# Allegro board 8880F5-0823__zarif.brd (continued)
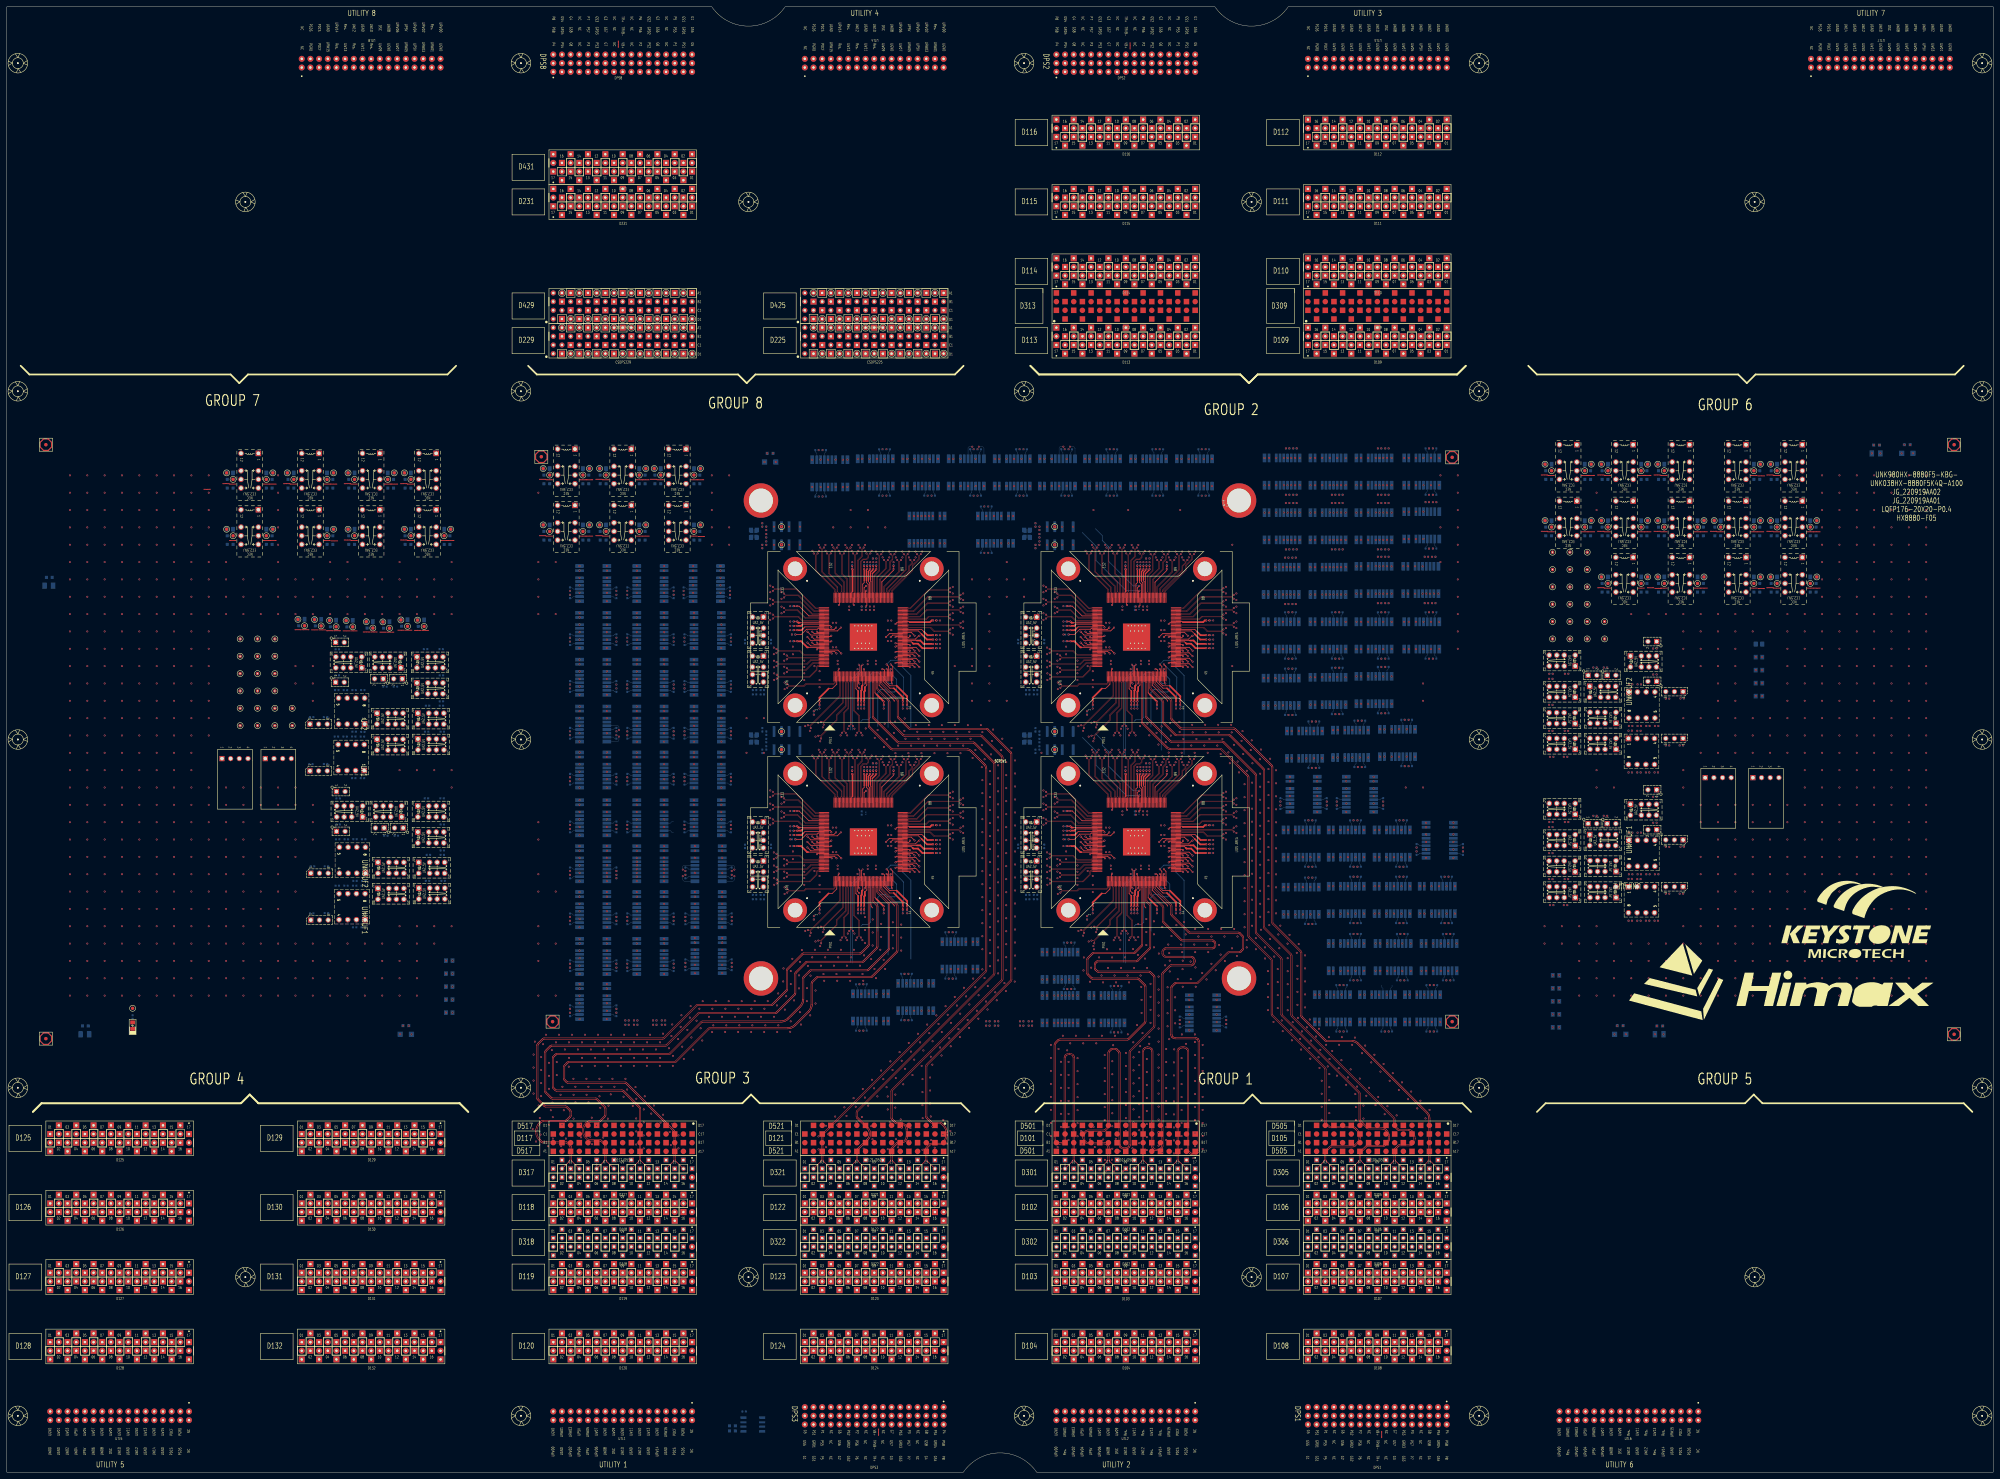
[diagram p0: board, top side]
## Placement (name value [footprint] x y rotation side) (continued)
NOREF#697  -  []  230.41 193.37 90 top
NOREF#698  -  []  248.96 224.74 0 top
NOREF#699  -  []  118.7 188.08 0 top
NOREF#700  -  []  394.66 258.64 90 top
NOREF#701  -  []  328.33 187.93 0 top
NOREF#702  -  []  251.33 140.14 0 top
NOREF#703  -  []  473.6 162.62 90 top
NOREF#704  -  []  313.98 143.79 90 top
NOREF#705  -  []  119.7 231.22 0 top
NOREF#706  -  []  272.24 181.05 90 top
NOREF#707  -  []  122.19 214.79 0 top
NOREF#708  -  []  317.05 288.86 0 top
NOREF#709  -  []  405.5 241.11 90 top
NOREF#710  -  []  528.1 259.9 90 top
NOREF#711  -  []  165.8 254 90 top
NOREF#712  -  []  327.57 264.65 90 top
NOREF#713  -  []  251.62 205.55 0 top
NOREF#714  -  []  247.25 265.56 0 top
NOREF#715  -  []  251.05 265.86 90 top
NOREF#716  -  []  415.61 185.72 90 top
NOREF#717  -  []  118.33 286.94 90 top
NOREF#718  -  []  300.01 288.31 90 top
NOREF#719  -  []  330.17 163.82 90 top
NOREF#720  -  []  201.23 242.78 90 top
NOREF#721  -  []  252.51 265.56 0 top
NOREF#722  -  []  251.94 265.86 90 top
NOREF#723  -  []  346.08 296.86 0 top
NOREF#724  -  []  415.6 146.88 0 top
NOREF#725  -  []  351.04 245.5 0 top
NOREF#726  -  []  459.28 192.71 90 top
NOREF#727  -  []  167.7 244.98 90 top
NOREF#728  -  []  332.61 288.86 0 top
NOREF#729  -  []  468.01 214.96 0 top
NOREF#730  -  []  306.71 152.34 0 top
NOREF#731  -  []  209.23 246.08 90 top
NOREF#732  -  []  251.62 265.56 0 top
NOREF#733  -  []  459.24 175.86 0 top
NOREF#734  -  []  456.08 230.2 0 top
NOREF#735  -  []  296.81 275.94 0 top
NOREF#736  -  []  310.41 248.88 90 top
NOREF#737  -  []  465.81 179.15 0 top
NOREF#738  -  []  238.3 224.74 90 top
NOREF#739  -  []  115.61 191.95 90 top
NOREF#740  -  []  343.63 163.82 90 top
NOREF#741  -  []  343.95 224.74 90 top
NOREF#742  -  []  415.6 146.88 0 top
NOREF#743  -  []  396.55 225.11 0 top
NOREF#744  -  []  343.31 224.72 0 top
NOREF#745  -  []  167.7 241.43 0 top
NOREF#746  -  []  329.28 223.82 90 top
NOREF#747  -  []  475.04 195.66 0 top
NOREF#748  -  []  246.23 233.13 0 top
NOREF#749  -  []  252.51 205.55 0 top
NOREF#750  -  []  422.7 163.64 0 top
NOREF#751  -  []  106.36 190.55 0 top
NOREF#752  -  []  373.68 232.6 0 top
NOREF#753  -  []  36.1 131.91 0 top
NOREF#754  -  []  398.65 281.11 0 top
NOREF#755  -  []  424.05 163.64 90 top
NOREF#756  -  []  372.72 161.49 0 top
NOREF#757  -  []  378.75 240.66 90 top
NOREF#758  -  []  376.98 224.6 0 top
NOREF#759  -  []  339.65 264.65 90 top
NOREF#760  -  []  299.81 273.69 90 top
NOREF#761  -  []  451.68 214.96 0 top
NOREF#762  -  []  199.59 145.03 0 top
NOREF#763  -  []  259.97 204.35 90 top
NOREF#764  -  []  388.43 163.64 0 top
NOREF#765  -  []  405.42 131.94 90 top
NOREF#766  -  []  302.11 142.44 0 top
NOREF#767  -  []  353.35 288.31 90 top
NOREF#768  -  []  310.73 193.69 0 top
NOREF#769  -  []  218.16 237.06 0 top
NOREF#770  -  []  244.8 288.61 0 top
NOREF#771  -  []  209.49 162.1 90 top
NOREF#772  -  []  110.47 171.02 0 top
NOREF#773  -  []  394.66 274.38 90 top
NOREF#774  -  []  312.25 211.67 90 top
NOREF#775  -  []  463.61 179.15 0 top
NOREF#776  -  []  367.13 271.21 0 top
NOREF#777  -  []  330.73 205.55 0 top
NOREF#778  -  []  318.45 197.01 0 top
NOREF#779  -  []  264.72 272.65 90 top
NOREF#780  -  []  184.89 186.02 90 top
NOREF#781  -  []  331.86 252.43 90 top
NOREF#782  -  []  194.09 201.29 90 top
NOREF#783  -  []  201.23 215.35 90 top
NOREF#784  -  []  201.23 204.09 90 top
NOREF#785  -  []  167.7 231.27 90 top
NOREF#786  -  []  383.73 198.08 90 top
NOREF#787  -  []  247.25 205.55 0 top
NOREF#788  -  []  352.25 181.05 90 top
NOREF#789  -  []  254.29 205.55 0 top
NOREF#790  -  []  182.57 171.96 0 top
NOREF#791  -  []  339.89 288.41 90 top
NOREF#792  -  []  373.32 164.66 90 top
NOREF#793  -  []  263.83 171.63 90 top
NOREF#794  -  []  388.43 146.88 0 top
NOREF#795  -  []  334.29 205.55 0 top
NOREF#796  -  []  390.53 171.64 0 top
NOREF#797  -  []  465.45 292.92 90 top
NOREF#798  -  []  301.56 231.46 0 top
NOREF#799  -  []  208.98 257.6 90 top
NOREF#800  -  []  166.06 189.04 90 top
NOREF#801  -  []  331.94 264.65 90 top
NOREF#802  -  []  408.02 239.21 0 top
NOREF#803  -  []  269.94 135.19 0 top
NOREF#804  -  []  406.19 188.15 0 top
NOREF#805  -  []  168.69 292.55 90 top
NOREF#806  -  []  387.8 210.63 90 top
NOREF#807  -  []  192.47 150.58 90 top
NOREF#808  -  []  400.79 154.88 0 top
NOREF#809  -  []  124.1 238.84 0 top
NOREF#810  -  []  331.06 165.04 90 top
NOREF#811  -  []  304.61 131.64 0 top
NOREF#812  -  []  344.62 131.89 90 top
NOREF#813  -  []  330.74 224.74 0 top
NOREF#814  -  []  334.81 296.86 0 top
NOREF#815  -  []  463.11 230.2 0 top
NOREF#816  -  []  302.11 180.71 0 top
NOREF#817  -  []  339.65 204.65 90 top
NOREF#818  -  []  127.3 228.02 90 top
NOREF#819  -  []  409.17 281.37 0 top
NOREF#820  -  []  230.41 186.34 90 top
NOREF#821  -  []  240.94 211.63 90 top
NOREF#822  -  []  201.23 233.47 90 top
NOREF#823  -  []  412.62 297.12 0 top
NOREF#824  -  []  272.25 183.59 90 top
NOREF#825  -  []  254.29 265.56 90 top
NOREF#826  -  []  377.23 224.65 90 top
NOREF#827  -  []  262.68 164.74 90 top
NOREF#828  -  []  424.98 146.33 90 top
NOREF#829  -  []  182.57 144.78 0 top
NOREF#830  -  []  167.7 256.5 90 top
NOREF#831  -  []  312.79 288.86 90 top
NOREF#832  -  []  272.25 184.23 0 top
NOREF#833  -  []  295.96 177.06 0 top
NOREF#834  -  []  239.33 183.63 90 top
NOREF#835  -  []  271.56 288.91 90 top
NOREF#836  -  []  209.23 232.37 90 top
NOREF#837  -  []  288.14 286.96 0 top
NOREF#838  -  []  354.08 286.96 90 top
NOREF#839  -  []  184.47 227.72 0 top
NOREF#840  -  []  107.02 171.57 0 top
NOREF#841  -  []  66.26 271.33 90 top
NOREF#842  -  []  188.08 289.11 90 top
NOREF#843  -  []  235.4 289.88 90 top
NOREF#844  -  []  310.43 253.37 90 top
NOREF#845  -  []  408.02 271.47 0 top
NOREF#846  -  []  371.48 257.11 0 top
NOREF#847  -  []  410.52 289.12 0 top
NOREF#848  -  []  343.31 164.72 0 top
NOREF#849  -  []  334.29 265.56 90 top
NOREF#850  -  []  451.68 195.91 0 top
NOREF#851  -  []  330.73 265.56 90 top
NOREF#852  -  []  343.98 288.86 0 top
NOREF#853  -  []  296.96 252.14 0 top
NOREF#854  -  []  367.73 290.39 90 top
NOREF#855  -  []  319.33 183.63 90 top
NOREF#856  -  []  263.83 231.63 90 top
NOREF#857  -  []  83.77 247.51 90 top
NOREF#858  -  []  167.7 219.75 90 top
NOREF#859  -  []  105.93 204.27 90 top
NOREF#860  -  []  230.73 187.93 0 top
NOREF#861  -  []  192.47 222.95 90 top
NOREF#862  -  []  98.53 238.84 0 top
NOREF#863  -  []  220.36 248.49 0 top
NOREF#864  -  []  271.04 181.69 0 top
NOREF#865  -  []  101.29 247.16 90 top
NOREF#866  -  []  272.24 242.32 90 top
NOREF#867  -  []  272.25 244.23 0 top
NOREF#868  -  []  184.47 247.18 90 top
NOREF#869  -  []  410.52 241.11 0 top
NOREF#870  -  []  257.09 224.74 90 top
NOREF#871  -  []  168.13 159.1 90 top
NOREF#872  -  []  250.74 224.74 0 top
NOREF#873  -  []  262.68 224.74 90 top
NOREF#874  -  []  118.33 271.33 90 top
NOREF#875  -  []  108.27 178.64 0 top
NOREF#876  -  []  392.24 196.98 90 top
NOREF#877  -  []  211.11 173.86 90 top
NOREF#878  -  []  111.54 287.84 90 top
NOREF#879  -  []  381.2 226.12 90 top
NOREF#880  -  []  247.78 140.14 0 top
NOREF#881  -  []  419.4 171.64 0 top
NOREF#882  -  []  343.2 172.26 90 top
NOREF#883  -  []  414.82 249.11 0 top
NOREF#884  -  []  383.01 139.89 0 top
NOREF#885  -  []  166.06 216.47 90 top
NOREF#886  -  []  229.21 188.88 0 top
NOREF#887  -  []  352.25 241.69 0 top
NOREF#888  -  []  461.86 230.75 0 top
NOREF#889  -  []  251.94 264.65 90 top
NOREF#890  -  []  300.74 286.96 90 top
NOREF#891  -  []  331.94 204.65 90 top
NOREF#892  -  []  230.43 246.34 0 top
NOREF#893  -  []  352.55 185.18 0 top
NOREF#894  -  []  380.59 239.21 0 top
NOREF#895  -  []  376.98 241.11 0 top
NOREF#896  -  []  259.65 264.65 90 top
NOREF#897  -  []  199.59 158.5 0 top
NOREF#898  -  []  167.7 165.4 90 top
NOREF#899  -  []  259.33 265.56 90 top
NOREF#900  -  []  415.61 179.97 0 top
NOREF#901  -  []  263.95 224.74 90 top
NOREF#902  -  []  415.61 185.72 90 top
NOREF#903  -  []  250.73 205.56 90 top
NOREF#904  -  []  410.84 180.15 90 top
NOREF#905  -  []  104.18 191.95 0 top
NOREF#906  -  []  318.45 257.01 0 top
NOREF#907  -  []  239.4 296.61 0 top
NOREF#908  -  []  258.2 246.67 0 top
NOREF#909  -  []  201.23 192.32 90 top
NOREF#910  -  []  293.31 272.1 0 top
NOREF#911  -  []  298.16 248.49 0 top
NOREF#912  -  []  167.7 132.72 0 top
NOREF#913  -  []  352.55 241.37 0 top
NOREF#914  -  []  219.81 273.69 90 top
NOREF#915  -  []  201.66 213.45 90 top
NOREF#916  -  []  230.43 247.61 90 top
NOREF#917  -  []  199.59 171.96 90 top
NOREF#918  -  []  184.47 165.4 90 top
NOREF#919  -  []  259.97 264.35 90 top
NOREF#920  -  []  295.96 237.06 0 top
NOREF#921  -  []  247.25 264.35 90 top
NOREF#922  -  []  175.7 264.1 90 top
NOREF#923  -  []  182.57 199.39 90 top
NOREF#924  -  []  351.34 245.18 0 top
NOREF#925  -  []  388.43 180.15 0 top
NOREF#926  -  []  201.23 233.47 90 top
NOREF#927  -  []  199.08 254 0 top
NOREF#928  -  []  337.09 224.74 90 top
NOREF#929  -  []  250.73 265.56 0 top
NOREF#930  -  []  263.2 232.26 90 top
NOREF#931  -  []  167.7 145.93 90 top
NOREF#932  -  []  274.67 286.96 0 top
NOREF#933  -  []  247.25 265.55 0 top
NOREF#934  -  []  343.63 223.82 90 top
NOREF#935  -  []  201.49 178.86 90 top
NOREF#936  -  []  330.49 223.52 90 top
NOREF#937  -  []  217.71 276.09 0 top
NOREF#938  -  []  386.46 139.89 0 top
NOREF#939  -  []  332.51 265.55 0 top
NOREF#940  -  []  229.51 186.66 0 top
NOREF#941  -  []  166.06 230.19 90 top
NOREF#942  -  []  230.83 224.63 0 top
NOREF#943  -  []  383.09 289.12 0 top
NOREF#944  -  []  412.88 139.89 0 top
NOREF#945  -  []  237.66 224.74 0 top
NOREF#946  -  []  127.95 187.53 0 top
NOREF#947  -  []  342.68 164.74 90 top
NOREF#948  -  []  473.7 219.66 90 top
NOREF#949  -  []  259.84 133.29 90 top
NOREF#950  -  []  101.82 287.84 90 top
NOREF#951  -  []  239.33 176.03 90 top
NOREF#952  -  []  223.56 233.86 90 top
NOREF#953  -  []  332.51 265.56 90 top
NOREF#954  -  []  310.41 193.37 90 top
NOREF#955  -  []  470.71 183.57 90 top
NOREF#956  -  []  167.7 204.09 90 top
NOREF#957  -  []  259.88 288.41 90 top
NOREF#958  -  []  351.34 183.91 0 top
NOREF#959  -  []  351.04 189.82 0 top
NOREF#960  -  []  392.24 193.43 0 top
NOREF#961  -  []  119.95 195.15 0 top
NOREF#962  -  []  385.19 241.11 0 top
NOREF#963  -  []  403.41 209.61 0 top
NOREF#964  -  []  229.21 243.09 0 top
NOREF#965  -  []  167.7 255.15 90 top
NOREF#966  -  []  471.21 211.76 90 top
NOREF#967  -  []  419.65 256.92 90 top
NOREF#968  -  []  108.01 222.33 0 top
NOREF#969  -  []  418.38 131.89 0 top
NOREF#970  -  []  417.2 171.64 0 top
NOREF#971  -  []  305.83 204.31 0 top
NOREF#972  -  []  396.03 180.15 0 top
NOREF#973  -  []  324.65 288.86 0 top
NOREF#974  -  []  419.64 256.82 90 top
NOREF#975  -  []  390.53 180.15 0 top
NOREF#976  -  []  463.61 171.53 0 top
NOREF#977  -  []  404.4 273.16 90 top
NOREF#978  -  []  167.7 214 0 top
NOREF#979  -  []  397.57 131.89 0 top
NOREF#980  -  []  245.15 288.66 90 top
NOREF#981  -  []  381.2 290.39 90 top
NOREF#982  -  []  420.62 287.22 90 top
NOREF#983  -  []  250.73 204.35 90 top
NOREF#984  -  []  342.04 164.74 0 top
NOREF#985  -  []  272.66 288.86 90 top
NOREF#986  -  []  119.95 187.53 0 top
NOREF#987  -  []  167.7 217.55 90 top
NOREF#988  -  []  259.33 265.55 0 top
NOREF#989  -  []  287.91 280.1 0 top
NOREF#990  -  []  366.88 239.21 0 top
NOREF#991  -  []  257.9 246.35 90 top
NOREF#992  -  []  259.65 204.65 90 top
NOREF#993  -  []  253.4 205.56 0 top
NOREF#994  -  []  229.05 211.67 0 top
NOREF#995  -  []  215.96 177.06 0 top
NOREF#996  -  []  559.43 297.18 90 top
NOREF#997  -  []  209.23 205.19 90 top
NOREF#998  -  []  296.96 240.71 0 top
NOREF#999  -  []  327.25 265.55 0 top
NOREF#1000  -  []  389.7 209.36 0 top
NOREF#1001  -  []  254.29 265.56 0 top
NOREF#1002  -  []  167.7 227.72 90 top
NOREF#1003  -  []  215.96 237.06 0 top
NOREF#1004  -  []  234.33 228.13 90 top
NOREF#1005  -  []  451.68 239.34 0 top
NOREF#1006  -  []  211.11 160.4 90 top
NOREF#1007  -  []  396.55 273.11 0 top
NOREF#1008  -  []  106.76 215.26 0 top
NOREF#1009  -  []  304.61 131.64 0 top
NOREF#1010  -  []  383.07 180.2 90 top
NOREF#1011  -  []  402.14 146.88 0 top
NOREF#1012  -  []  303.56 173.86 90 top
NOREF#1013  -  []  331.22 253.63 0 top
NOREF#1014  -  []  310.43 253.37 90 top
NOREF#1015  -  []  423.71 181.22 90 top
NOREF#1016  -  []  450.03 225.6 0 top
NOREF#1017  -  []  461.86 230.75 0 top
NOREF#1018  -  []  388.43 180.15 0 top
NOREF#1019  -  []  352.25 182.32 90 top
NOREF#1020  -  []  554.86 298.45 0 top
NOREF#1021  -  []  229.21 253.37 0 top
NOREF#1022  -  []  165.8 199.39 90 top
NOREF#1023  -  []  310.73 189.2 0 top
NOREF#1024  -  []  331.94 265.86 90 top
NOREF#1025  -  []  310.43 246.34 90 top
NOREF#1026  -  []  184.47 200.54 90 top
NOREF#1027  -  []  333.33 241.33 90 top
NOREF#1028  -  []  316.43 132.91 90 top
NOREF#1029  -  []  399.99 181.42 90 top
NOREF#1030  -  []  115.36 235.64 0 top
NOREF#1031  -  []  167.7 214 90 top
NOREF#1032  -  []  200.98 255.15 0 top
NOREF#1033  -  []  304.61 131.64 0 top
NOREF#1034  -  []  304.65 271.67 0 top
NOREF#1035  -  []  385.19 257.11 0 top
NOREF#1036  -  []  273.95 155.38 0 top
NOREF#1037  -  []  201.21 276.04 90 top
NOREF#1038  -  []  352.24 182.32 90 top
NOREF#1039  -  []  325.92 131.64 0 top
NOREF#1040  -  []  384.36 131.89 0 top
NOREF#1041  -  []  411.99 161.74 90 top
NOREF#1042  -  []  511.59 276.41 90 top
NOREF#1043  -  []  501.87 276.41 90 top
NOREF#1044  -  []  511.59 259.9 90 top
NOREF#1045  -  []  346.08 288.86 0 top
NOREF#1046  -  []  473.7 176.22 90 top
NOREF#1047  -  []  239.33 176.03 0 top
NOREF#1048  -  []  286.55 288.41 90 top
NOREF#1049  -  []  302.71 145.61 90 top
NOREF#1050  -  []  167.7 136.27 90 top
NOREF#1051  -  []  251.86 192.43 90 top
NOREF#1052  -  []  194.09 187.32 90 top
NOREF#1053  -  []  456.08 186.77 0 top
NOREF#1054  -  []  310.43 248.88 90 top
NOREF#1055  -  []  385.93 144.98 0 top
NOREF#1056  -  []  331.54 252.73 90 top
NOREF#1057  -  []  167.7 260.9 90 top
NOREF#1058  -  []  385.93 161.74 0 top
NOREF#1059  -  []  392.47 256.66 90 top
NOREF#1060  -  []  117.01 234.24 90 top
NOREF#1061  -  []  250.17 225.04 90 top
NOREF#1062  -  []  254.61 264.65 90 top
NOREF#1063  -  []  330.49 163.52 90 top
NOREF#1064  -  []  271.34 242.64 0 top
NOREF#1065  -  []  118.45 234.24 90 top
NOREF#1066  -  []  119.76 127 90 top
NOREF#1067  -  []  313.22 288.31 90 top
NOREF#1068  -  []  333.4 204.35 90 top
NOREF#1069  -  []  332.51 204.35 90 top
NOREF#1070  -  []  342.08 290.13 90 top
NOREF#1071  -  []  375.22 180.15 0 top
NOREF#1072  -  []  371.73 273.11 0 top
NOREF#1073  -  []  333.72 264.65 90 top
NOREF#1074  -  []  352.55 189.5 0 top
NOREF#1075  -  []  405.5 257.37 90 top
NOREF#1076  -  []  184.47 204.09 90 top
NOREF#1077  -  []  373.87 188.15 0 top
NOREF#1078  -  []  290.11 280.1 0 top
NOREF#1079  -  []  209.23 243.88 90 top
NOREF#1080  -  []  310.43 189.52 0 top
NOREF#1081  -  []  201.23 231.27 90 top
NOREF#1082  -  []  412.79 209.06 90 top
NOREF#1083  -  []  201.23 247.18 90 top
NOREF#1084  -  []  167.7 186.57 90 top
NOREF#1085  -  []  333.4 205.56 90 top
NOREF#1086  -  []  317.57 209.63 90 top
NOREF#1087  -  []  223.56 245.29 90 top
NOREF#1088  -  []  379.01 272.66 90 top
NOREF#1089  -  []  200.98 260.9 90 top
NOREF#1090  -  []  279.27 296.86 0 top
NOREF#1091  -  []  334.29 264.35 90 top
NOREF#1092  -  []  326.43 288.31 90 top
NOREF#1093  -  []  209.49 168.6 90 top
NOREF#1094  -  []  155.57 272.6 90 top
NOREF#1095  -  []  451.68 214.96 0 top
NOREF#1096  -  []  338.11 288.86 0 top
NOREF#1097  -  []  352.25 189.18 90 top
NOREF#1098  -  []  302.71 132.91 90 top
NOREF#1099  -  []  223.56 173.86 90 top
NOREF#1100  -  []  201.91 159.1 90 top
NOREF#1101  -  []  393.19 271.21 90 top
NOREF#1102  -  []  306.71 144.34 0 top
NOREF#1103  -  []  417.87 257.37 0 top
NOREF#1104  -  []  375.73 194.78 90 top
NOREF#1105  -  []  297.41 213.24 0 top
NOREF#1106  -  []  230.43 187.61 90 top
NOREF#1107  -  []  415.08 139.89 0 top
NOREF#1108  -  []  473.79 196.21 0 top
NOREF#1109  -  []  317.83 257.63 0 top
NOREF#1110  -  []  339.65 265.86 90 top
NOREF#1111  -  []  249.85 224.74 0 top
NOREF#1112  -  []  201.49 174.46 90 top
NOREF#1113  -  []  184.47 206.29 90 top
NOREF#1114  -  []  396.28 180.2 90 top
NOREF#1115  -  []  230.43 188.88 90 top
NOREF#1116  -  []  400.85 297.12 0 top
NOREF#1117  -  []  369.63 289.12 0 top
NOREF#1118  -  []  241.6 296.61 0 top
NOREF#1119  -  []  35.83 132.61 0 top
NOREF#1120  -  []  298.49 288.91 90 top
NOREF#1121  -  []  247.57 264.65 90 top
NOREF#1122  -  []  230.43 246.34 90 top
NOREF#1123  -  []  312.46 144.39 90 top
NOREF#1124  -  []  230.41 187.61 90 top
NOREF#1125  -  []  330.73 205.56 90 top
NOREF#1126  -  []  184.47 215.35 90 top
NOREF#1127  -  []  305.83 264.31 0 top
NOREF#1128  -  []  289.29 296.86 0 top
NOREF#1129  -  []  112.67 171.02 0 top
NOREF#1130  -  []  219.76 297.18 0 top
NOREF#1131  -  []  387.39 281.11 0 top
NOREF#1132  -  []  110.21 195.15 0 top
NOREF#1133  -  []  230.43 186.34 90 top
NOREF#1134  -  []  248.61 290.13 90 top
NOREF#1135  -  []  461.96 174.55 0 top
NOREF#1136  -  []  479.44 239.09 0 top
NOREF#1137  -  []  380.59 255.21 0 top
NOREF#1138  -  []  460.93 191.31 90 top
NOREF#1139  -  []  175.7 168.6 90 top
NOREF#1140  -  []  167.7 233.47 90 top
NOREF#1141  -  []  208.98 264.1 90 top
NOREF#1142  -  []  237.2 296.61 0 top
NOREF#1143  -  []  115.61 211.51 90 top
NOREF#1144  -  []  348.28 296.86 0 top
NOREF#1145  -  []  209.49 175.56 90 top
NOREF#1146  -  []  332.51 205.55 0 top
NOREF#1147  -  []  184.89 159.1 90 top
NOREF#1148  -  []  310.43 183.09 90 top
NOREF#1149  -  []  226.27 216.63 90 top
NOREF#1150  -  []  210.86 201.29 90 top
NOREF#1151  -  []  383.83 209.11 0 top
NOREF#1152  -  []  409.17 249.11 0 top
NOREF#1153  -  []  331.38 163.52 90 top
NOREF#1154  -  []  261.21 286.96 0 top
NOREF#1155  -  []  127.95 195.15 0 top
NOREF#1156  -  []  332.51 205.56 0 top
NOREF#1157  -  []  201.49 173.11 0 top
NOREF#1158  -  []  230.43 193.37 90 top
NOREF#1159  -  []  405.93 272.56 90 top
NOREF#1160  -  []  322.23 233.13 0 top
NOREF#1161  -  []  222.11 252.14 0 top
NOREF#1162  -  []  257.09 163.52 90 top
NOREF#1163  -  []  175.7 205.19 90 top
NOREF#1164  -  []  106.36 190.55 0 top
NOREF#1165  -  []  331.62 265.56 0 top
NOREF#1166  -  []  166.06 162.12 90 top
NOREF#1167  -  []  391.8 209.36 0 top
NOREF#1168  -  []  294.94 296.86 0 top
NOREF#1169  -  []  271.34 245.18 0 top
NOREF#1170  -  []  408.37 258.64 90 top
NOREF#1171  -  []  201.4 254.6 90 top
NOREF#1172  -  []  254.29 264.35 90 top
NOREF#1173  -  []  75.98 273.87 90 top
NOREF#1174  -  []  404.15 241.11 0 top
NOREF#1175  -  []  257.9 246.99 0 top
NOREF#1176  -  []  230.43 248.88 0 top
NOREF#1177  -  []  199.84 148.65 90 top
NOREF#1178  -  []  192.47 259.8 90 top
NOREF#1179  -  []  199.33 240.28 90 top
NOREF#1180  -  []  172.08 275.14 90 top
NOREF#1181  -  []  165.8 144.78 90 top
NOREF#1182  -  []  334.29 205.56 0 top
NOREF#1183  -  []  272.55 245.18 0 top
NOREF#1184  -  []  382.82 180.15 0 top
NOREF#1185  -  []  471.21 211.76 0 top
NOREF#1186  -  []  351.04 242.96 0 top
NOREF#1187  -  []  471.21 219.38 90 top
NOREF#1188  -  []  266.74 143.19 0 top
NOREF#1189  -  []  463.11 230.2 0 top
NOREF#1190  -  []  459.28 227 0 top
NOREF#1191  -  []  413.96 182.44 90 top
NOREF#1192  -  []  410.78 131.89 0 top
NOREF#1193  -  []  394.05 287.22 0 top
NOREF#1194  -  []  201.49 149.73 90 top
NOREF#1195  -  []  167.7 187.92 90 top
NOREF#1196  -  []  229.21 247.61 0 top
NOREF#1197  -  []  222.11 192.14 0 top
NOREF#1198  -  []  404.15 289.12 0 top
NOREF#1199  -  []  124.64 171.1 0 top
NOREF#1200  -  []  168.69 290.01 90 top
NOREF#1201  -  []  297.41 213.24 90 top
NOREF#1202  -  []  283.21 282 0 top
NOREF#1203  -  []  192.47 230.17 90 top
NOREF#1204  -  []  175.7 148.38 90 top
NOREF#1205  -  []  119.95 222.33 0 top
NOREF#1206  -  []  248.96 224.72 0 top
NOREF#1207  -  []  237.83 257.63 0 top
NOREF#1208  -  []  415.1 163.64 0 top
NOREF#1209  -  []  283.21 270.2 90 top
NOREF#1210  -  []  306.83 269.63 90 top
NOREF#1211  -  []  106.76 217.73 90 top
NOREF#1212  -  []  194.09 228.47 90 top
NOREF#1213  -  []  184.89 227.17 90 top
NOREF#1214  -  []  201.66 240.88 90 top
NOREF#1215  -  []  400.91 207.71 0 top
NOREF#1216  -  []  289.01 272.1 0 top
NOREF#1217  -  []  290.64 288.86 0 top
NOREF#1218  -  []  340.83 234.63 90 top
NOREF#1219  -  []  246.67 288.16 90 top
NOREF#1220  -  []  374.08 195.9 90 top
NOREF#1221  -  []  397.38 180.15 90 top
NOREF#1222  -  []  378.33 257.11 90 top
NOREF#1223  -  []  393.19 287.22 90 top
NOREF#1224  -  []  309.51 186.66 0 top
NOREF#1225  -  []  333.4 205.56 0 top
NOREF#1226  -  []  301.56 171.46 0 top
NOREF#1227  -  []  192.47 175.56 90 top
NOREF#1228  -  []  306.27 156.63 90 top
NOREF#1229  -  []  229.51 189.2 0 top
NOREF#1230  -  []  122.41 178.64 0 top
NOREF#1231  -  []  395.2 265.37 0 top
NOREF#1232  -  []  410.52 273.37 0 top
NOREF#1233  -  []  329.16 296.86 0 top
NOREF#1234  -  []  462.06 291.28 90 top
NOREF#1235  -  []  371.48 249.11 0 top
NOREF#1236  -  []  251.94 204.65 90 top
NOREF#1237  -  []  237.83 197.63 0 top
NOREF#1238  -  []  313.56 144.34 90 top
NOREF#1239  -  []  266.74 272.1 0 top
NOREF#1240  -  []  209.33 242.68 90 top
NOREF#1241  -  []  310.73 189.2 0 top
NOREF#1242  -  []  327.25 264.35 90 top
NOREF#1243  -  []  184.89 213.45 90 top
NOREF#1244  -  []  256.45 224.72 0 top
NOREF#1245  -  []  413.71 178.82 90 top
NOREF#1246  -  []  108.27 171.02 0 top
NOREF#1247  -  []  331.86 192.43 90 top
NOREF#1248  -  []  337.9 246.99 0 top
NOREF#1249  -  []  177.33 187.32 90 top
NOREF#1250  -  []  284.36 280.1 0 top
NOREF#1251  -  []  324.9 288.91 90 top
NOREF#1252  -  []  414.57 265.37 0 top
NOREF#1253  -  []  385.19 249.11 0 top
NOREF#1254  -  []  175.8 242.68 90 top
NOREF#1255  -  []  230.43 194.01 0 top
NOREF#1256  -  []  249.28 225.04 90 top
NOREF#1257  -  []  306.83 209.63 90 top
NOREF#1258  -  []  419.9 240.56 90 top
NOREF#1259  -  []  459.28 168.33 0 top
NOREF#1260  -  []  459.28 183.57 90 top
NOREF#1261  -  []  168.13 132.17 90 top
NOREF#1262  -  []  393.74 131.44 90 top
NOREF#1263  -  []  392.04 241.11 90 top
NOREF#1264  -  []  397.57 131.89 0 top
NOREF#1265  -  []  390.69 257.11 0 top
NOREF#1266  -  []  450.03 210.36 0 top
NOREF#1267  -  []  414.82 281.37 0 top
NOREF#1268  -  []  272.25 184.86 90 top
NOREF#1269  -  []  352.25 184.23 0 top
NOREF#1270  -  []  450.03 166.93 0 top
NOREF#1271  -  []  247.25 265.56 90 top
NOREF#1272  -  []  371.73 281.11 0 top
NOREF#1273  -  []  456.08 195.91 0 top
NOREF#1274  -  []  118.7 195.7 0 top
NOREF#1275  -  []  392.47 272.66 90 top
NOREF#1276  -  []  250.5 288.86 0 top
NOREF#1277  -  []  346.27 135.17 90 top
NOREF#1278  -  []  352.25 182.96 0 top
NOREF#1279  -  []  373.93 297.12 0 top
NOREF#1280  -  []  261.42 135.74 90 top
NOREF#1281  -  []  310.43 187.61 0 top
NOREF#1282  -  []  463.61 214.96 0 top
NOREF#1283  -  []  339.33 205.56 0 top
NOREF#1284  -  []  477.24 239.09 0 top
NOREF#1285  -  []  314.55 286.96 0 top
NOREF#1286  -  []  310.43 248.88 0 top
NOREF#1287  -  []  327.57 204.65 90 top
NOREF#1288  -  []  341.63 173.83 90 top
NOREF#1289  -  []  418.37 241.16 90 top
NOREF#1290  -  []  221.87 295.91 0 top
NOREF#1291  -  []  327.57 205.86 90 top
NOREF#1292  -  []  254.61 204.65 90 top
NOREF#1293  -  []  327.25 265.55 0 top
NOREF#1294  -  []  310.41 187.61 90 top
NOREF#1295  -  []  270.04 280.1 0 top
NOREF#1296  -  []  184.47 159.65 90 top
NOREF#1297  -  []  317.05 288.86 0 top
NOREF#1298  -  []  405.5 289.12 90 top
NOREF#1299  -  []  386.53 148.15 90 top
NOREF#1300  -  []  375.22 163.39 0 top
NOREF#1301  -  []  272.24 189.18 90 top
NOREF#1302  -  []  167.7 138.47 90 top
NOREF#1303  -  []  175.7 154.88 90 top
NOREF#1304  -  []  192.47 154.88 90 top
NOREF#1305  -  []  410.52 241.11 0 top
NOREF#1306  -  []  106.76 222.88 0 top
NOREF#1307  -  []  409.74 163.69 90 top
NOREF#1308  -  []  117.33 247.35 90 top
NOREF#1309  -  []  272.55 183.91 0 top
NOREF#1310  -  []  327.7 131.09 90 top
NOREF#1311  -  []  318.32 131.64 0 top
NOREF#1312  -  []  112.67 178.64 0 top
NOREF#1313  -  []  450.03 234.74 0 top
NOREF#1314  -  []  192.47 257.6 90 top
NOREF#1315  -  []  388.66 139.89 0 top
NOREF#1316  -  []  310.73 253.69 0 top
NOREF#1317  -  []  352.24 183.59 90 top
NOREF#1318  -  []  201.23 219.75 90 top
NOREF#1319  -  []  339.33 265.56 0 top
NOREF#1320  -  []  175.7 209.49 90 top
NOREF#1321  -  []  310.43 254.01 0 top
NOREF#1322  -  []  405.93 240.56 90 top
NOREF#1323  -  []  237.57 209.63 90 top
NOREF#1324  -  []  309.51 246.66 0 top
NOREF#1325  -  []  468.01 179.15 0 top
NOREF#1326  -  []  271.34 185.18 0 top
NOREF#1327  -  []  217.41 273.24 90 top
NOREF#1328  -  []  165.8 212.85 0 top
NOREF#1329  -  []  297.71 276.09 0 top
NOREF#1330  -  []  373.68 249.11 0 top
NOREF#1331  -  []  272.25 249.82 0 top
NOREF#1332  -  []  272.8 145.48 90 top
NOREF#1333  -  []  317.98 223.82 90 top
NOREF#1334  -  []  425.2 161.74 90 top
NOREF#1335  -  []  310.43 183.09 0 top
NOREF#1336  -  []  250.49 163.52 90 top
NOREF#1337  -  []  165.8 212.85 90 top